# Altium PCB Analog_Daughter_6U_MAX11331.PcbDoc (part 5 of 6) (continued)
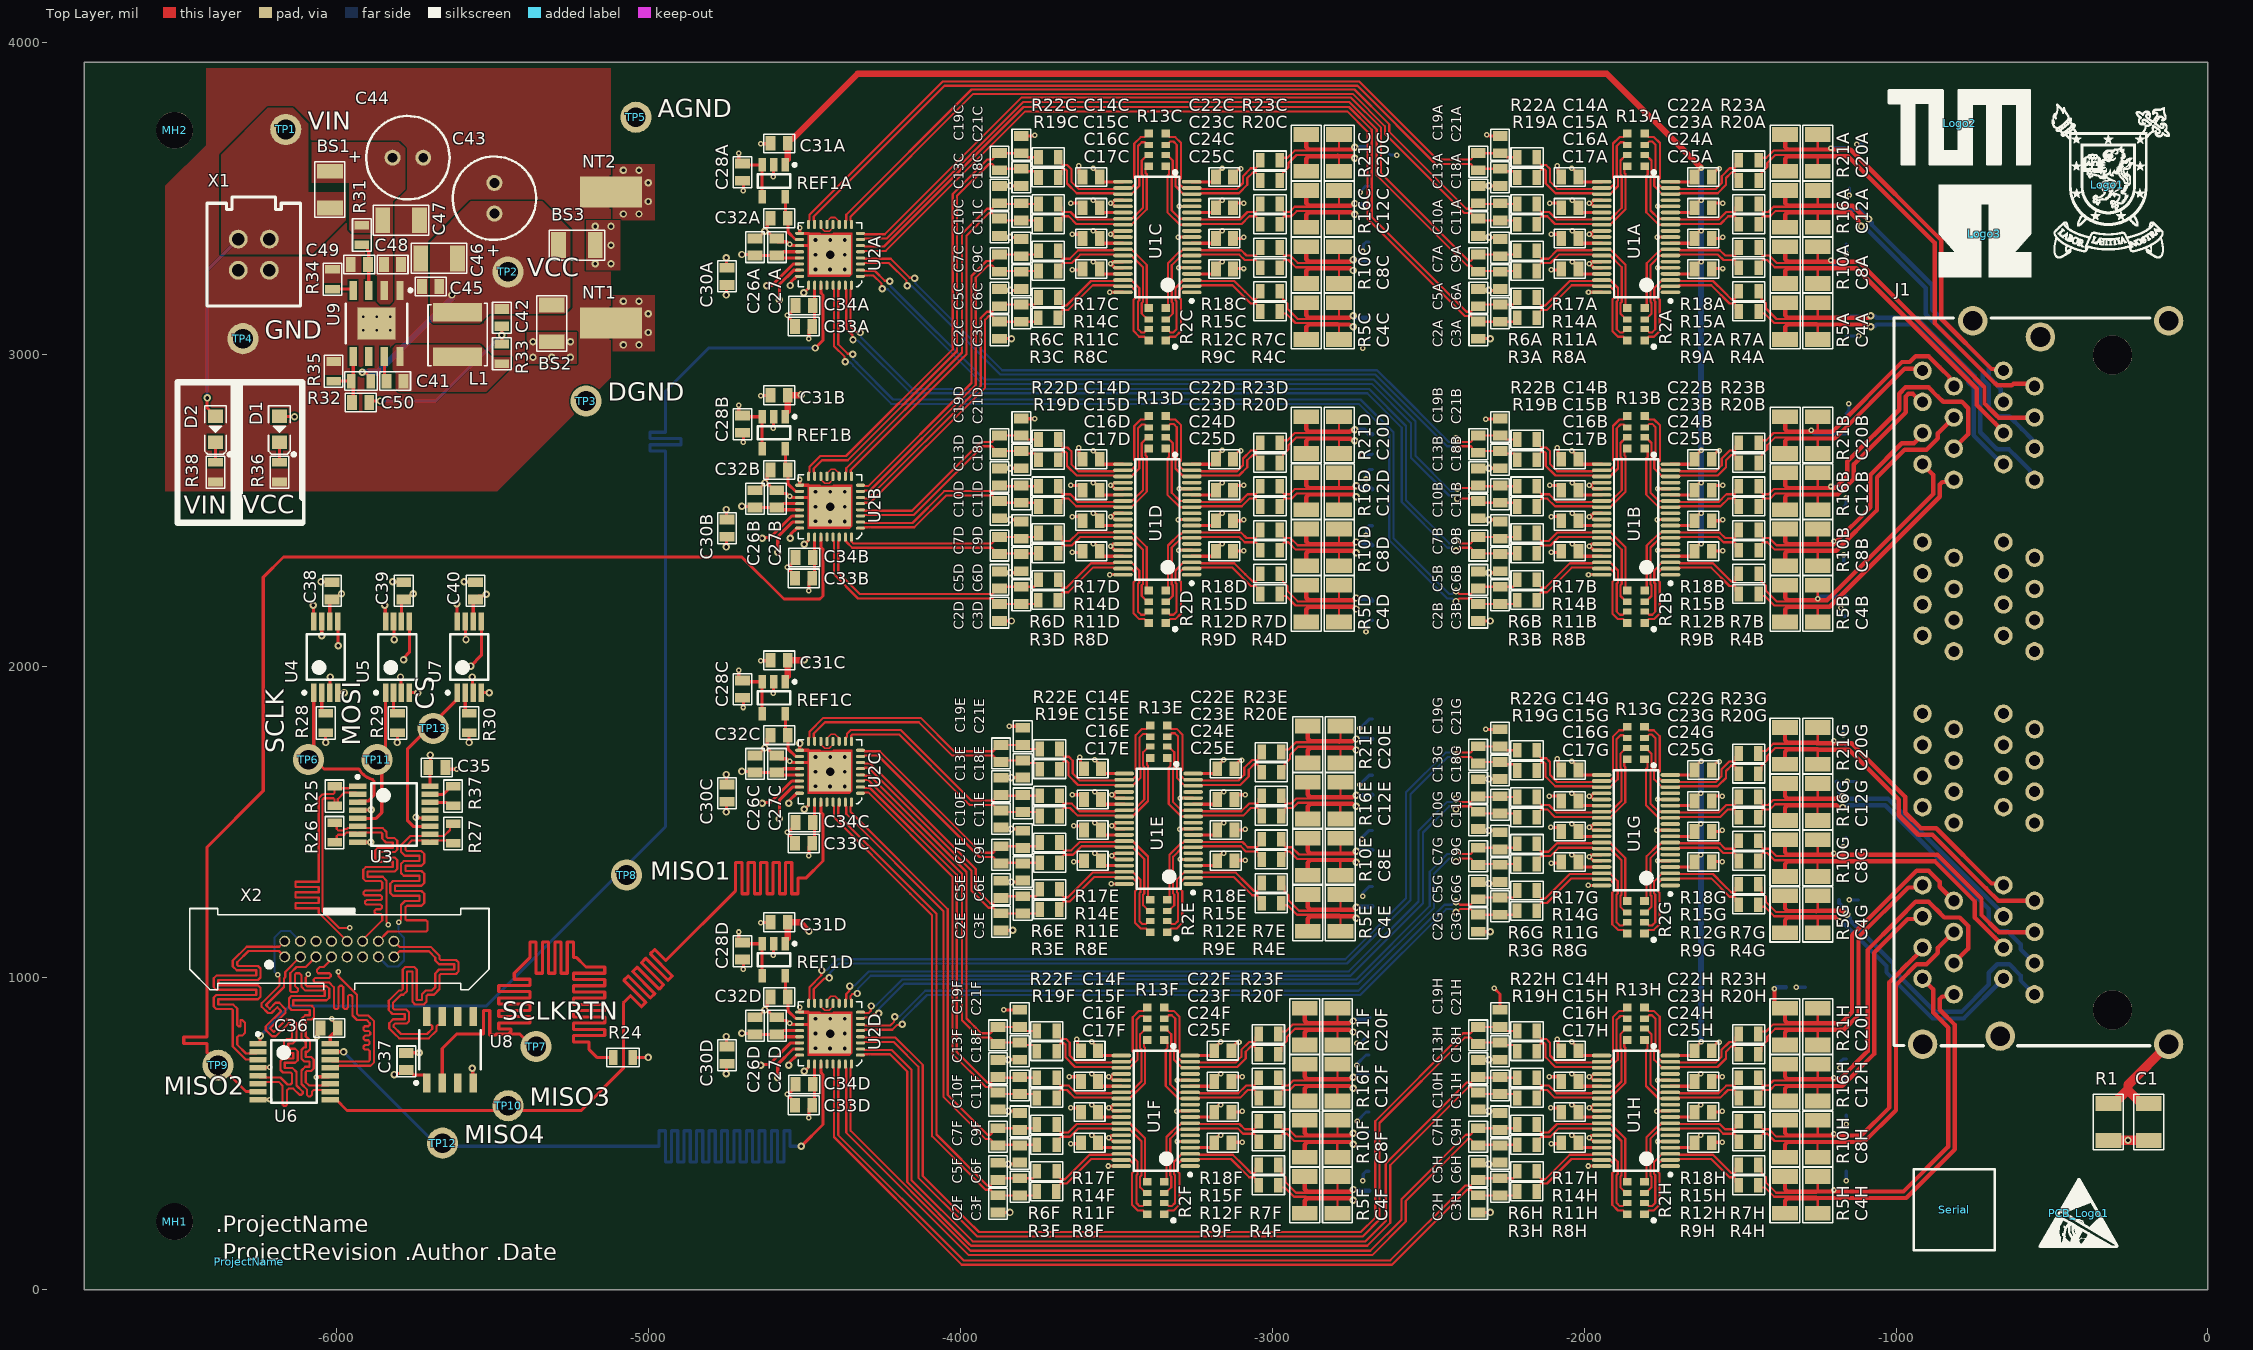
[diagram p0: Top Layer view]
## Nets (pads, with @x,y where several pads share a name; then routed paths per layer and width w, separated by ;. In a path a pad name is that pad's centre, name@x,y a point inside that pad or via, vN(x,y) a via of type N, cw(c..) or ccw(c..) an arc to the next point about the centre after c; other vN are vias at no path point) (continued)
  Signal 1 w7: v1(-6091.64,1011.87) -6091.87,1011.87 -6110,1030 -6180,1030 -6200,1050 -6200,1129.28 -6180.5,1148.78 -6098.78,1148.78 X2.6@-6067.57,1117.57
MISOADC3_P: U6.10 X2.5 | length 1069
  Top Layer w7: X2.5@-6067.57,1067.57 -6100.07,1035.07 -6129.93,1035.07 -6150,1015 -6150,959.1 -6145.9,955 -6129.1,955 -6125,959.1 -6125,965 -6135,975 -6135,1010.9 -6130.9,1015 -6120,1015 -6114,1009 -6114,985 -6114,971.6 -6101.7,959.3 -6039,959.3 -6039,942.3 -6145.8,942.3 -6154,934.1 -6154,905.5 -6145.8,897.3 -6087.24,897.3 -6087.24,880.3 -6101.7,880.3 -6114,868 -6114,830 -6114,820 -6114,806.6 -6101.7,794.3 -6100.42,794.3 -6100.42,777.3 -6105.8,777.3 -6114,769.1 -6114,740.5 -6105.8,732.3 -6088.26,732.3 -6088.26,715.3 -6101.7,715.3 -6114,703 -6114,685 -6114,659.59 -6095.8,641.39 -6095.8,624.1 -6091.7,620 -6085,620 -6080,625 -6080,635 -6074.05,640.95 -6026.78,640.95 U6.10@-6021.42,635.59
MISOADC4_N: U6.13 X2.8 | length 1002.5
  Top Layer w7: U6.13@-6021.42,712.36 -6016.06,717.72 -5993.7,717.72 -5993.26,718.16 -5892.04,718.16 -5881,729.2 -5881,765 -5881,855 -5881,860.8 -5899.2,879 -5930,879 -5936,885 -5936,945.68 -5995.21,1004.89 v1(-5995.21,1020)
  Signal 2 w7: X2.8@-6017.57,1117.57 -6045,1145 -6052.67,1145 ccw(c-6067.57,1117.57) -6082.46,1145 -6102.67,1145 ccw(c-6117.57,1117.57) -6132.46,1145 -6152.67,1145 ccw(c-6167.57,1117.57) -6182.46,1145 -6184.28,1145 -6195,1134.28 -6195,1132.46 ccw(c-6167.57,1117.57) -6195,1102.67 -6195,1082.46 ccw(c-6167.57,1067.57) -6195,1052.67 -6195,1045 -6186.03,1036.03 -6011.23,1036.03 v1(-5995.21,1020)
MISOADC4_P: U6.14 X2.7 | length 1038
  Top Layer w7: U6.14@-6021.42,737.95 -6016.06,732.59 -5993.7,732.59 -5993.26,732.16 -5899.1,732.16 -5895,736.26 -5895,765 -5900,770 -5910.9,770 -5915,774.1 -5915,780 -5910,785 -5900,785 -5895.4,789.6 -5895.4,795.4 -5900,800 -5910,800 -5914.6,804.6 -5914.6,810.4 -5910,815 -5898,815 -5893.4,819.6 -5893.4,825.4 -5898,830 -5910.9,830 -5915,834.1 -5915,840.9 -5910.9,845 -5900,845 -5895,850 -5895,855 -5905,865 -5935.8,865 -5950,879.2 -5950,940.12 -5954.98,945.1 -5960.9,945.1 -5965,941 -5965,905 -5969.6,900.4 -5975.4,900.4 -5980,905 -5980,970 -5984.54,974.54 -5984.54,974.66 -5990.34,974.66 -5995,970 -5995,904 -5999.1,899.9 -6004.9,899.9 -6010,905 -6010,970 -6025,985 -6027.93,985 -6028.23,985.3 -6070.3,985.3 -6074.6,989.6 -6074.6,995.4 -6070,1000 -6025,1000 -6020,1005 -6020,1010.9 -6024.1,1015 -6060,1015 -6064.6,1019.6 -6064.6,1025.4 -6055,1035 -6042.44,1035 -6017.57,1059.87 X2.7@-6017.57,1067.57
MISOB: TP9.1 U2B.27 U6.7 | length 4037.3
  Top Layer w10: U6.7@-6253.71,635.59 -6292.01,635.59 -6378.92,722.5 -6416.42,760 -6416.42,785 -6416.42,790 -6491.42,790 -6491.42,810 -6416.42,810 -6416.42,830 -6416.42,1420 -6236.42,1600 -6236.42,2285 -6171.42,2350 -4701.42,2350 -4566.42,2215 -4451.42,2215 -4441.42,2225 -4441.42,2375 -4448.39,2381.97 U2B.27@-4448.39,2413.66
MISOC: TP10.1 U2C.27 U6.9 | length 4063.9
  Top Layer w10: U6.9@-6021.42,610 -6002.72,610 -5967.72,575 -5216.42,575 -5081.42,710 -5081.42,920 -5076.42,925 -5058.75,942.68 -5023.39,907.32 -5009.25,921.46 -5079.96,992.18 -5065.82,1006.32 -4995.11,935.61 -4980.96,949.75 -5051.67,1020.46 -5037.53,1034.6 -4966.82,963.89 -4952.68,978.03 -5023.39,1048.74 -5009.25,1062.89 -4938.54,992.18 -4924.39,1006.32 -4995.11,1077.03 -4980.96,1091.17 -4945.61,1055.82 -4934.48,1066.95 -4726.42,1275 -4721.42,1280 -4721.42,1370 -4701.42,1370 -4701.42,1270 -4681.42,1270 -4681.42,1370 -4661.42,1370 -4661.42,1270 -4641.42,1270 -4641.42,1370 -4621.42,1370 -4621.42,1270 -4601.42,1270 -4601.42,1370 -4581.42,1370 -4581.42,1270 -4561.42,1270 -4561.42,1370 -4541.42,1370 -4541.42,1270 -4521.42,1270 -4521.42,1320 -4506.42,1320 -4496.42,1320 -4441.42,1375 -4441.42,1525 -4448.39,1531.97 U2C.27@-4448.39,1563.66
MISOD: TP12.1 U2D.27 U6.15 | length 4031.3
  Top Layer w10: U6.15@-6021.42,763.54 -6020.99,763.11 -5979.33,763.11 v2(-5978.9,762.68) ; v2(-4511.42,460) -4441.42,530 -4441.42,690 -4448.39,696.97 U2D.27@-4448.39,723.66
  Bottom Layer w10: v2(-5978.9,762.68) -5676.22,460 -4972.03,460 -4967.03,460 -4967.03,510 -4947.03,510 -4947.03,410 -4927.03,410 -4927.03,510 -4907.03,510 -4907.03,410 -4887.03,410 -4887.03,510 -4867.03,510 -4867.03,410 -4847.03,410 -4847.03,510 -4827.03,510 -4827.03,410 -4807.03,410 -4807.03,510 -4787.03,510 -4787.03,410 -4767.03,410 -4767.03,510 -4747.03,510 -4747.03,410 -4727.03,410 -4727.03,510 -4707.03,510 -4707.03,410 -4687.03,410 -4687.03,510 -4667.03,510 -4667.03,410 -4647.03,410 -4647.03,510 -4627.03,510 -4627.03,410 -4607.03,410 -4607.03,510 -4587.03,510 -4587.03,410 -4567.03,410 -4567.03,510 -4547.03,510 -4547.03,460 -4541.42,460 v2(-4511.42,460)
MOSI: TP11.1 U3.5 U5.1 | length 474.5
  Top Layer w10: U3.5@-5933.71,1511.77 -5874.65,1511.77 -5856.42,1530 -5856.42,1705.98 -5844.38,1718.03 U5.1@-5844.38,1914.68
MOSI_N: R26.1 U3.7 X2.12 | length 1068.2
  Top Layer w7: R26.1@-6007.57,1434.57 -6000.49,1441.64 -6000.49,1454.96 -5996.39,1459.06 -5976.88,1459.06 -5969.99,1465.95 -5939.07,1465.95 U3.7@-5933.71,1460.59 -5928.35,1465.95 -5905.98,1465.95 -5905.55,1466.39 -5859.1,1466.39 -5855,1462.29 -5855,1460 -5855,1446.6 -5842.7,1434.3 -5821,1434.3 -5821,1417.3 -5869.23,1417.3 -5877.43,1409.1 -5877.43,1380.5 -5869.23,1372.3 -5821,1372.3 -5821,1355.3 -5907.8,1355.3 -5916,1347.1 -5916,1318.5 -5907.8,1310.3 -5859.1,1310.3 -5855,1306.2 -5855,1287.08 -5862.08,1280 -5910,1280 -5915,1275 -5915,1269.1 -5910.9,1265 -5860,1265 -5855.4,1260.4 -5855.4,1254.6 -5860,1250 -5905,1250 -5910.1,1244.9 -5910.1,1239.1 -5906,1235 -5860,1235 -5855.4,1230.4 -5855.4,1224.6 -5860,1220 -5875,1220 -5879.6,1215.4 -5879.6,1209.6 -5875,1205 -5860,1205 -5855,1200 -5855,1185 -5917.57,1122.43 X2.12@-5917.57,1117.57
MOSI_P: R26.2 U3.6 X2.11 | length 1065.1
  Top Layer w7: R26.2@-6007.57,1497.56 -6000.49,1490.49 -6000.49,1477.16 -5996.39,1473.06 -5979.85,1473.06 -5974.96,1477.95 -5967.61,1477.95 -5964.74,1480.82 -5939.07,1480.82 U3.6@-5933.71,1486.18 -5928.35,1480.82 -5905.98,1480.82 -5905.55,1480.39 -5853.3,1480.39 -5841,1468.08 -5841,1460 -5841,1452.4 -5836.9,1448.3 -5815.2,1448.3 -5807,1440.1 -5807,1411.5 -5815.2,1403.3 -5863.43,1403.3 -5863.43,1386.3 -5815.2,1386.3 -5807,1378.1 -5807,1349.5 -5815.2,1341.3 -5902,1341.3 -5902,1324.3 -5853.3,1324.3 -5841,1312 -5841,1287.08 -5841,1180.04 -5835,1174.04 v1(-5835,1171.14)
  Signal 2 w7: X2.11@-5917.57,1067.57 -5885,1035 -5805.99,1035 -5786.35,1054.64 -5786.35,1130.5 -5804.63,1148.78 -5824.94,1169.09 -5832.95,1169.09 v1(-5835,1171.14)
MOSIA: U2A.24 U5.3 | length 4008.5
  Top Layer w10: v2(-5796.42,1965) -5794.81,1963.39 -5794.81,1916.3 U5.3@-5793.19,1914.68 ; v2(-4546.86,3220.44) -4544.25,3223.04 -4544.25,3231.74 -4525.99,3250 U2A.24@-4516.31,3250
  Signal 1 w10: v2(-5796.42,1965) -5701.42,2060 -5701.42,2365 -5697.89,2368.54 -5729.43,2400.07 -5715.28,2414.22 -5648.39,2347.32 -5634.25,2361.46 -5701.14,2428.36 -5687,2442.5 -5620.11,2375.61 -5605.96,2389.75 -5672.91,2456.7 -5658.77,2470.84 -5591.82,2403.89 -5577.68,2418.03 -5645.91,2486.26 -5631.77,2500.41 -5563.54,2432.18 -5549.39,2446.32 -5620.11,2517.03 -5605.96,2531.17 -5535.25,2460.46 -5521.11,2474.6 -5591.82,2545.31 -5577.68,2559.45 -5506.97,2488.74 -5492.83,2502.89 -5563.54,2573.6 -5549.39,2587.74 -5478.68,2517.03 -5464.54,2531.17 -5535.25,2601.88 -5521.11,2616.02 -5450.4,2545.31 -5436.26,2559.45 -5506.97,2630.17 -5492.83,2644.31 -5422.12,2573.6 -5407.97,2587.74 -5478.68,2658.45 -5464.54,2672.59 -5393.83,2601.88 -5379.69,2616.02 -5415.04,2651.38 -5406.42,2660 -5391.64,2660 -5141.42,2660 -4580.99,3220.44 v2(-4546.86,3220.44)
MOSIB: U2B.24 U5.8 | length 4025.3
  Top Layer w10: v2(-5846.42,2195) -5845.4,2193.98 -5845.4,2144.06 U5.8@-5844.38,2143.03 ; v2(-4546.42,2410) -4543.82,2412.61 -4543.82,2424.38 -4525.99,2442.2 U2B.24@-4516.31,2442.2
  Signal 2 w10: v2(-5846.42,2195) -5731.42,2195 -5576.42,2350 -5526.42,2350 -5521.42,2350 -5521.42,2395 -5501.42,2395 -5501.42,2300 -5481.42,2300 -5481.42,2395 -5461.42,2395 -5461.42,2300 -5441.42,2300 -5441.42,2395 -5421.42,2395 -5421.42,2300 -5401.42,2300 -5401.42,2395 -5381.42,2395 -5381.42,2300 -5361.42,2300 -5361.42,2395 -5341.42,2395 -5341.42,2300 -5321.42,2300 -5321.42,2395 -5301.42,2395 -5301.42,2300 -5281.42,2300 -5281.42,2395 -5261.42,2395 -5261.42,2300 -5241.42,2300 -5241.42,2395 -5221.42,2395 -5221.42,2300 -5201.42,2300 -5201.42,2395 -5181.42,2395 -5181.42,2300 -5161.42,2300 -5161.42,2395 -5141.42,2395 -5141.42,2300 -5121.42,2300 -5121.42,2395 -5101.42,2395 -5101.42,2300 -5081.42,2300 -5081.42,2395 -5061.42,2395 -5061.42,2300 -5041.42,2300 -5041.42,2386.36 -5021.42,2386.36 -5021.42,2300 -5001.42,2300 -5001.42,2390.18 -4981.42,2390.18 -4981.42,2350 -4976.42,2350 -4973.58,2350 -4651.42,2350 -4591.42,2410 v2(-4546.42,2410)
MOSIC: U2C.24 U5.7 | length 4022.8
  Top Layer w10: U5.7@-5818.79,2143.03 -5817.6,2141.85 -5817.6,2086.18 v2(-5816.42,2085) ; v2(-4551.42,1560) -4548.82,1562.61 -4548.82,1569.38 -4525.99,1592.2 U2C.24@-4516.31,1592.2
  Signal 2 w10: v2(-5816.42,2085) -5776.42,2125 -5771.42,2125 -5746.42,2125 -5746.42,2075 -5726.42,2075 -5726.42,2125 -5706.42,2125 -5706.42,2075 -5686.42,2075 -5686.42,2125 -5666.42,2125 -5666.42,2075 -5646.42,2075 -5646.42,2125 -5626.42,2125 -5626.42,2102.92 -5606.42,2102.92 -5606.42,2125 -5586.42,2125 -5586.42,2111.81 -5566.42,2111.81 -5566.42,2125 -5546.42,2125 -5546.42,2100 -5526.42,2100 -5526.42,2125 -5506.42,2125 -5506.42,2100 -5486.42,2100 -5486.42,2125 -5466.42,2125 -5466.42,2100 -5446.42,2100 -5446.42,2125 -5426.42,2125 -5426.42,2100 -5406.42,2100 -5406.42,2125 -5386.42,2125 -5386.42,2100 -5366.42,2100 -5366.42,2125 -5346.42,2125 -5346.42,2100 -5326.42,2100 -5326.42,2125 -5306.42,2125 -5306.42,2100 -5286.42,2100 -5286.42,2125 -5266.42,2125 -5266.42,2100 -5246.42,2100 -5246.42,2125 -5226.42,2125 -5226.42,2100 -5206.42,2100 -5206.42,2125 -5186.42,2125 -5186.42,2100 -5166.42,2100 -5166.42,2128.58 -5146.42,2128.58 -5146.42,2100 -5126.42,2100 -5126.42,2149.98 -5106.42,2149.98 -5106.42,2081.21 -5086.42,2081.21 -5086.42,2138.79 -5066.42,2138.79 -5066.42,2090 -5046.42,2070 -5033.92,2057.5 -5030.39,2053.96 -5005.99,2078.36 -4991.85,2064.22 -5040.64,2015.43 -5026.5,2001.29 -4977.71,2050.07 -4963.57,2035.93 -5012.35,1987.14 -4998.21,1973 -4949.43,2021.79 -4935.28,2007.65 -4984.07,1958.86 -4969.93,1944.72 -4921.14,1993.5 -4907,1979.36 -4955.79,1930.58 -4941.64,1916.43 -4905.57,1952.51 -4891.42,1938.37 -4911.42,1918.37 -4911.42,1875 -4911.42,1870.49 -4911.42,1839.34 -4936.42,1839.34 -4936.42,1819.34 -4891.42,1819.34 -4891.42,1799.34 -4936.42,1799.34 -4936.42,1779.34 -4891.42,1779.34 -4891.42,1759.34 -4936.42,1759.34 -4936.42,1739.34 -4891.42,1739.34 -4891.42,1719.34 -4922.01,1719.34 -4922.01,1699.34 -4891.42,1699.34 -4891.42,1679.34 -4911.42,1679.34 -4911.42,1659.34 -4891.42,1659.34 -4891.42,1639.34 -4911.42,1639.34 -4911.42,1615 -4910.76,1614.34 -4895.71,1599.29 -4892.18,1595.75 -4877.78,1610.15 -4863.64,1596 -4879.9,1579.75 -4865.75,1565.61 -4849.5,1581.86 -4835.36,1567.72 -4849.75,1553.33 -4835.71,1539.29 -4801.82,1505.39 -4646.03,1505.39 -4591.42,1560 v2(-4551.42,1560)
MOSID: U2D.24 U5.5 | length 4048.9
  Top Layer w10: v2(-5786.42,2020) -5786.42,2026.18 -5767.01,2045.59 -5767.01,2142.44 U5.5@-5767.6,2143.03 ; v2(-4551.42,720) -4548.82,722.61 -4548.82,729.38 -4525.99,752.2 U2D.24@-4516.31,752.2
  Signal 2 w10: v2(-5786.42,2020) -5783.75,2020 -5773.75,2030 -5426.42,2030 -5196.07,1799.64 -5196.07,1765 -5196.07,1760 -5175.71,1760 -5175.71,1740 -5216.42,1740 -5216.42,1720 -5175.71,1720 -5175.71,1700 -5216.42,1700 -5216.42,1680 -5175.71,1680 -5175.71,1660 -5216.42,1660 -5216.42,1640 -5175.71,1640 -5175.71,1620 -5216.42,1620 -5216.42,1600 -5175.71,1600 -5175.71,1580 -5216.42,1580 -5216.42,1560 -5175.71,1560 -5175.71,1540 -5216.42,1540 -5216.42,1520 -5175.71,1520 -5175.71,1500 -5216.42,1500 -5216.42,1480 -5175.71,1480 -5175.71,1460 -5216.42,1460 -5216.42,1440 -5175.71,1440 -5175.71,1420 -5216.42,1420 -5216.42,1400 -5175.71,1400 -5175.71,1380 -5216.42,1380 -5216.42,1360 -5175.71,1360 -5175.71,1340 -5216.42,1340 -5216.42,1320 -5175.71,1320 -5175.71,1300 -5216.42,1300 -5216.42,1280 -5175.71,1280 -5175.71,1260 -5216.42,1260 -5216.42,1240 -5175.71,1240 -5175.71,1220 -5216.42,1220 -5216.42,1200 -5175.71,1200 -5175.71,1180 -5216.42,1180 -5216.42,1160 -5175.71,1160 -5175.71,1140 -5215.66,1140 -5215.66,1120 -5175.71,1120 -5175.71,1100 -5196.07,1100 -5196.07,1080 -5175.71,1080 -5175.71,1060 -5196.07,1060 -5196.07,1040 -5175.71,1040 -5175.71,1020 -5196.07,1020 -5196.07,1000 -5175.71,1000 -5175.71,980 -5196.07,980 -5196.07,960 -5175.71,960 -5175.71,940 -5196.07,940 -5196.07,932.32 -5196.07,889.64 -4971.42,665 -4658.51,665 -4603.51,720 v2(-4551.42,720)
NetC32A_1: C32A.1 REF1A.5 U2A.18 | length 163.7
  Top Layer w10: REF1A.5@-4561.94,3505.16 -4561.94,3444.06 C32A.1@-4554.22,3436.34 -4554.22,3392.8 -4529.61,3368.19 -4516.38,3368.19 U2A.18@-4516.31,3368.11
NetC32B_1: C32B.1 REF1B.5 U2B.18 | length 163.7
  Top Layer w10: REF1B.5@-4561.94,2697.36 -4561.94,2636.26 C32B.1@-4554.22,2628.54 -4554.22,2585 -4529.61,2560.39 -4516.38,2560.39 U2B.18@-4516.31,2560.31
NetC32C_1: C32C.1 REF1C.5 U2C.18 | length 163.7
  Top Layer w10: REF1C.5@-4561.94,1847.36 -4561.94,1786.26 C32C.1@-4554.22,1778.54 -4554.22,1735 -4529.61,1710.39 -4516.38,1710.39 U2C.18@-4516.31,1710.31
NetC32D_1: C32D.1 REF1D.5 U2D.18 | length 163.7
  Top Layer w10: REF1D.5@-4561.94,1007.36 -4561.94,946.26 C32D.1@-4554.22,938.54 -4554.22,895 -4529.61,870.39 -4516.38,870.39 U2D.18@-4516.31,870.31
NetC41_2: C41.2 U9.7 | length 81.4
  Top Layer w10: U9.7@-5848,2992.6 -5848,2920.35 C41.2@-5841.5,2913.86
NetC42_2: C42.2 C50.1 R33.1 | length 571.7
  Top Layer w10: C50.1@-5896.42,2845 -5891.42,2850 v2(-5861.42,2850) ; R33.1@-5471.42,3032.99 v2(-5471.42,3061.5) C42.2@-5471.42,3090
  Bottom Layer w10: v2(-5861.42,2850) -5682.92,2850 v2(-5471.42,3061.5)
NetD1_2: D1.2 R36.1 | length 65
  Top Layer w10: R36.1@-6184.65,2653.39 D1.2@-6184.65,2718.35
NetD2_2: D2.2 R38.1 | length 65
  Top Layer w10: R38.1@-6389.69,2653.39 D2.2@-6389.69,2718.35
NetR24_2: R24.2 TP7.1 U8.2 | length 4118.6
  Top Layer w10: U8.2@-5662.57,663.27 -5662.57,773.86 -5616.42,820 -5535,820 -5530,820 -5530,895 -5510,895 -5510,816.73 -5490,816.73 -5490,820 -5451.42,820 ; TP7.1@-5361.42,780 -5373.35,780 -5413.35,820 -5446.42,820 -5451.42,820 ; R24.2@-5114.41,745 -5166.42,745 -5191.42,770 -5191.42,795 -5241.42,795 -5241.42,815 -5141.42,815 -5141.42,835 -5241.42,835 -5241.42,855 -5141.42,855 -5141.42,875 -5241.42,875 -5241.42,895 -5141.42,895 -5141.42,915 -5241.42,915 -5241.42,935 -5141.42,935 -5141.42,955 -5241.42,955 -5241.42,975 -5141.42,975 -5141.42,995 -5241.42,995 -5241.42,1015 -5141.42,1015 -5141.42,1035 -5201.42,1035 -5206.42,1040 -5231.42,1065 -5241.42,1065 -5241.42,1115 -5261.42,1115 -5261.42,1015 -5281.42,1015 -5281.42,1115 -5301.42,1115 -5301.42,1015 -5321.42,1015 -5321.42,1115 -5341.42,1115 -5341.42,1015 -5361.42,1015 -5361.42,1115 -5381.42,1115 -5381.42,1065 -5386.42,1060 -5431.42,1015 -5431.42,1005 -5431.42,995.86 -5381.42,995.86 -5381.42,975.86 -5481.42,975.86 -5481.42,955.86 -5381.42,955.86 -5381.42,935.86 -5481.42,935.86 -5481.42,915.86 -5381.42,915.86 -5381.42,895.86 -5481.42,895.86 -5481.42,875.86 -5381.42,875.86 -5381.42,855.86 -5481.42,855.86 -5481.42,835.86 -5441.42,835.86 -5441.42,830 -5446.42,825 -5451.42,820
NetR28_1: R28.1 U4.2 | length 73.5
  Top Layer w10: U4.2@-6048.79,1914.68 -6048.79,1857.64 -6040.01,1848.86 R28.1@-6035.99,1848.86
NetR29_1: R29.1 U5.2 | length 73.5
  Top Layer w10: U5.2@-5818.79,1914.68 -5818.79,1857.64 -5810.01,1848.86 R29.1@-5805.99,1848.86
NetR30_1: R30.1 U7.2 | length 73.5
  Top Layer w10: U7.2@-5588.79,1914.68 -5588.79,1857.64 -5580.01,1848.86 R30.1@-5575.99,1848.86
NetR34_2: R34.2 U9.4 | length 68.4
  Top Layer w10: R34.2@-6014.73,3209.13 -5951.94,3209.13 U9.4@-5948,3205.2
NetR37_1: R37.1 U3.15 | length 87.3
  Top Layer w10: U3.15@-5701.42,1588.54 -5658.86,1588.54 -5646.19,1601.22 -5646.19,1605.79 -5637.41,1614.57 R37.1@-5627.57,1614.57
NetR37_2: R37.2 U3.14 | length 78.6
  Top Layer w10: U3.14@-5701.42,1562.95 -5648.79,1562.95 -5637.41,1551.58 R37.2@-5627.57,1551.58
NetU2A_11: U2A.11 U2A.13 | length 69.3
  Top Layer w5: U2A.13@-4428.71,3416.34 -4428.71,3426.18 -4416.29,3438.6 -4401.76,3438.6 -4389.34,3426.18 U2A.11@-4389.34,3416.34
NetU2A_12: U2A.12 U2A.14 | length 69.3
  Top Layer w5: U2A.14@-4448.39,3416.34 -4448.39,3406.5 -4435.97,3394.07 -4421.44,3394.07 -4409.02,3406.5 U2A.12@-4409.02,3416.34
NetU2B_11: U2B.11 U2B.13 | length 69.3
  Top Layer w5: U2B.13@-4428.71,2608.54 -4428.71,2618.39 -4416.29,2630.81 -4401.76,2630.81 -4389.34,2618.39 U2B.11@-4389.34,2608.54
NetU2B_12: U2B.12 U2B.14 | length 69.3
  Top Layer w5: U2B.14@-4448.39,2608.54 -4448.39,2598.7 -4435.97,2586.28 -4421.44,2586.28 -4409.02,2598.7 U2B.12@-4409.02,2608.54
NetU2C_11: U2C.11 U2C.13 | length 69.3
  Top Layer w5: U2C.13@-4428.71,1758.54 -4428.71,1768.39 -4416.29,1780.81 -4401.76,1780.81 -4389.34,1768.39 U2C.11@-4389.34,1758.54
NetU2C_12: U2C.12 U2C.14 | length 69.3
  Top Layer w5: U2C.14@-4448.39,1758.54 -4448.39,1748.7 -4435.97,1736.28 -4421.44,1736.28 -4409.02,1748.7 U2C.12@-4409.02,1758.54
NetU2D_11: U2D.11 U2D.13 | length 69.3
  Top Layer w5: U2D.13@-4428.71,918.54 -4428.71,928.39 -4416.29,940.81 -4401.76,940.81 -4389.34,928.39 U2D.11@-4389.34,918.54
NetU2D_12: U2D.12 U2D.14 | length 69.3
  Top Layer w5: U2D.14@-4448.39,918.54 -4448.39,908.7 -4435.97,896.28 -4421.44,896.28 -4409.02,908.7 U2D.12@-4409.02,918.54
PGND: C43.1 C44.1 C45.2 C46.2 C47.2 C48.2 C49.2 NT1.2 NT2.1 R34.1 R35.1 R36.2 R38.2 TP4.1 U9.1 U9.9 X1.1 X1.2
  other v4: -5916.31,3077.24 -5873,3077.24 -5829.69,3077.24 -5916.31,3120.55 -5873,3120.55 -5829.69,3120.55
SCLK: TP6.1 U3.3 U4.1 | length 541.5
  Top Layer w10: U4.1@-6074.38,1914.68 -6074.38,1702.95 -6041.42,1670 -5934.87,1670 -5929.09,1670 ccw(c-5871.42,1700) -5886.86,1636.86 -5881.42,1631.42 -5881.42,1585 -5899.61,1566.81 -5929.85,1566.81 U3.3@-5933.71,1562.95
SCLK_N: R25.1 U3.1 X2.10 | length 1104.3
  Top Layer w7: X2.10@-5967.57,1117.57 -6058.5,1208.5 -6058.5,1220 -6058.5,1223.5 -6133.5,1223.5 -6133.5,1240.5 -6058.5,1240.5 -6058.5,1257.5 -6133.5,1257.5 -6133.5,1274.5 -6058.5,1274.5 -6058.5,1291.5 -6133.5,1291.5 -6133.5,1308.5 -6058.5,1308.5 -6058.5,1315 -6058.5,1576.94 -6047.37,1588.07 -6042.9,1588.07 -6040.9,1590.07 -6011.67,1590.07 -6007.57,1594.17 R25.1@-6007.57,1614.57 -6001.34,1608.34 -5961.87,1608.34 -5961.43,1608.78 -5939.07,1608.78 U3.1@-5933.71,1614.13
SCLK_P: R25.2 U3.2 X2.9 | length 1097.1
  Top Layer w7: v1(-5959.09,1160.91) -5960,1160 -5993.03,1160 -6046.5,1213.47 -6046.5,1571.97 -6042.4,1576.07 -6011.67,1576.07 -6007.57,1571.97 R25.2@-6007.57,1551.58 -5997.29,1561.85 -5997.29,1573.4 -5976.35,1594.34 -5961.87,1594.34 -5961.43,1593.9 -5939.07,1593.9 U3.2@-5933.71,1588.54
  Signal 1 w7: X2.9@-5967.57,1067.57 -5935,1035 -5805.99,1035 -5785,1055.99 -5785,1129.15 -5804.63,1148.78 -5944.06,1148.78 -5956.19,1160.91 v1(-5959.09,1160.91)
SCLK_RTN_N: U8.8 X2.16 | length 1094.3
  Top Layer w7: X2.16@-5817.57,1117.57 -5799.57,1099.57 -5699.77,1099.57 -5685.38,1085.18 -5671,1070.8 -5671,1061.8 -5666.9,1057.7 -5618.2,1057.7 -5610,1049.5 -5610,1020.9 -5618.2,1012.7 -5666.9,1012.7 -5671,1008.6 -5671,970 -5671,964.2 -5687.5,947.7 -5689.2,946 -5709,946 -5713.1,941.9 -5713.1,923.08 -5721.3,914.88 -5749.9,914.88 -5758.1,923.08 -5758.1,1021 -5775.1,1021 -5775.1,958.3 -5787.4,946 -5795,946 -5800.8,940.2 -5820,921 -5820,910 -5820,902.4 -5815.9,898.3 -5777.02,898.3 -5768.81,890.1 -5768.81,861.5 -5777.02,853.3 -5814.3,853.3 -5818.4,849.2 -5818.4,843.4 -5796.56,821.56 -5795,820 -5711.26,820 -5694.57,836.69 -5694.57,844.75 -5698.67,848.85 -5704.25,848.85 -5712.57,857.17 U8.8@-5712.57,875.87
SCLK_RTN_P: U8.7 X2.15 | length 1117.5
  Top Layer w7: X2.15@-5817.57,1067.57 -5799.57,1085.57 -5705.57,1085.57 -5705.18,1085.18 -5685,1065 -5685,1056 -5672.7,1043.7 -5624,1043.7 -5624,1026.7 -5672.7,1026.7 -5685,1014.4 -5685,970 -5687.5,967.5 -5695,960 -5714.8,960 -5727.1,947.7 -5727.1,928.88 -5744.1,928.88 -5744.1,1026.8 -5752.3,1035 -5780.9,1035 -5789.1,1026.8 -5789.1,964.1 -5793.2,960 -5800.8,960 -5834,926.8 -5834,910 -5834,896.6 -5821.7,884.3 -5782.81,884.3 -5782.81,867.3 -5820.1,867.3 -5832.4,855 -5832.4,837.6 -5816.36,821.56 -5800.8,806 -5705.46,806 -5680.57,830.9 -5680.57,844.75 -5676.46,848.85 -5670.88,848.85 -5662.57,857.17 U8.7@-5662.57,875.87
SCLKA: U2A.22 U4.3 | length 4060.4
  Top Layer w10: U4.3@-6023.19,1914.68 -6022.31,1915.57 -6022.31,1964.11 v2(-6021.42,1965) ; v2(-4621.42,3220) -4606.42,3220 -4537.13,3289.29 -4516.38,3289.29 U2A.22@-4516.31,3289.37
  Signal 1 w10: v2(-6021.42,1965) -5966.42,1965 -5921.42,2010 -5921.42,2300 -5917.89,2303.54 -5953.24,2338.89 -5939.1,2353.03 -5868.39,2282.32 -5854.25,2296.46 -5924.96,2367.18 -5910.82,2381.32 -5840.11,2310.61 -5825.96,2324.75 -5896.67,2395.46 -5882.53,2409.6 -5811.82,2338.89 -5797.68,2353.03 -5868.39,2423.74 -5854.25,2437.89 -5783.54,2367.18 -5769.39,2381.32 -5840.11,2452.03 -5825.96,2466.17 -5755.25,2395.46 -5741.11,2409.6 -5811.82,2480.31 -5797.68,2494.45 -5726.97,2423.74 -5712.83,2437.89 -5783.54,2508.6 -5769.4,2522.74 -5698.68,2452.03 -5684.54,2466.17 -5755.25,2536.88 -5741.11,2551.02 -5671.68,2481.59 -5657.54,2495.74 -5726.97,2565.17 -5712.83,2579.31 -5645.88,2512.36 -5631.74,2526.5 -5663.33,2558.09 -5654.12,2567.3 -5506.42,2715 -5126.42,2715 v2(-4621.42,3220)
SCLKB: U2B.22 U4.8 | length 4046.6
  Top Layer w10: v2(-6076.42,2195) -6075.4,2193.98 -6075.4,2144.06 U4.8@-6074.38,2143.03 ; v2(-4636.42,2410) -4633.82,2412.61 -4610.03,2412.61 -4541.14,2481.5 -4516.38,2481.5 U2B.22@-4516.31,2481.57
  Signal 2 w10: v2(-6076.42,2195) -5976.42,2195 -5761.42,2410 -5736.42,2410 -5731.42,2410 -5731.42,2460 -5711.42,2460 -5711.42,2360 -5691.42,2360 -5691.42,2460 -5671.42,2460 -5671.42,2360 -5651.42,2360 -5651.42,2460 -5631.42,2460 -5631.42,2360 -5611.42,2360 -5611.42,2460 -5591.42,2460 -5591.42,2365 -5571.42,2365 -5571.42,2460 -5551.42,2460 -5551.42,2406.18 -5531.42,2406.18 -5531.42,2460 -5511.42,2460 -5511.42,2410 -5491.42,2410 -5491.42,2460 -5471.42,2460 -5471.42,2410 -5451.42,2410 -5451.42,2460 -5431.42,2460 -5431.42,2410 -5411.42,2410 -5411.42,2460 -5391.42,2460 -5391.42,2410 -5371.42,2410 -5371.42,2460 -5351.42,2460 -5351.42,2410 -5331.42,2410 -5331.42,2460 -5311.42,2460 -5311.42,2410 -5291.42,2410 -5291.42,2460 -5271.42,2460 -5271.42,2410 -5251.42,2410 -5251.42,2460 -5231.42,2460 -5231.42,2410 -5211.42,2410 -5211.42,2460 -5191.42,2460 -5191.42,2410 -5171.42,2410 -5171.42,2460 -5151.42,2460 -5151.42,2410 -5131.42,2410 -5131.42,2460 -5111.42,2460 -5111.42,2410 -5091.42,2410 -5091.42,2460 -5071.42,2460 -5071.42,2410 -5051.42,2410 -5051.42,2460 -5031.42,2460 -5031.42,2401.36 -5011.42,2401.36 -5011.42,2460 -4991.42,2460 -4991.42,2410 -4986.11,2410 v2(-4636.42,2410)
SCLKC: U2C.22 U4.7 | length 4041
  Top Layer w10: v2(-6048.79,2097.36) U4.7@-6048.79,2143.03 ; v2(-4636.42,1560) -4633.82,1562.61 -4609.67,1562.61 -4606.42,1565.86 -4606.42,1566.21 -4541.14,1631.5 -4516.38,1631.5 U2C.22@-4516.31,1631.57
  Signal 2 w10: v2(-6048.79,2097.36) -5981.15,2165 -5976.15,2165 -5976.15,2180 -5956.15,2180 -5956.15,2115 -5936.15,2115 -5936.15,2214.06 -5916.15,2214.06 -5916.15,2115 -5896.15,2115 -5896.15,2215 -5876.15,2215 -5876.15,2115 -5856.15,2115 -5856.15,2168.19 -5836.15,2168.19 -5836.15,2115 -5816.15,2115 -5816.15,2180 -5796.15,2180 -5796.15,2140 -5776.15,2140 -5776.15,2180 -5756.15,2180 -5756.15,2140 -5736.15,2140 -5736.15,2180 -5716.15,2180 -5716.15,2140 -5696.15,2140 -5696.15,2209.06 -5676.15,2209.06 -5676.15,2140 -5656.15,2140 -5656.15,2181.81 -5636.15,2181.81 -5636.15,2140 -5616.15,2140 -5616.15,2173.19 -5596.15,2173.19 -5596.15,2140 -5576.15,2140 -5576.15,2185 -5556.15,2185 -5556.15,2140 -5536.15,2140 -5536.15,2185 -5516.15,2185 -5516.15,2140 -5496.15,2140 -5496.15,2168.58 -5476.15,2168.58 -5476.15,2140 -5456.15,2140 -5456.15,2165 -5436.15,2165 -5436.15,2140 -5416.15,2140 -5416.15,2165 -5396.15,2165 -5396.15,2140 -5376.15,2140 -5376.15,2165 -5356.15,2165 -5356.15,2140 -5336.15,2140 -5336.15,2165 -5316.15,2165 -5316.15,2140 -5296.15,2140 -5296.15,2165 -5276.15,2165 -5276.15,2140 -5256.15,2140 -5256.15,2165 -5236.15,2165 -5236.15,2140 -5216.15,2140 -5216.15,2165 -5196.15,2165 -5196.15,2140 -5176.15,2140 -5176.15,2165 -5156.15,2165 -5156.15,2161.4 -5136.15,2161.4 -5136.15,2165 -5096.42,2165 -5071.42,2165 -5035.71,2129.29 -5032.18,2125.75 -5022.93,2135 -5008.79,2120.86 -5022.3,2107.34 -5008.16,2093.2 -4975.61,2125.75 -4961.47,2111.61 -4989.75,2083.33 -4975.61,2069.18 -4947.32,2097.47 -4933.18,2083.33 -4961.47,2055.04 -4940.71,2034.29 -4876.42,1970 -4876.42,1630 -4806.42,1560 v2(-4636.42,1560)
SCLKD: R24.1 U2D.22 U4.5 | length 4051.6
  Top Layer w10: U4.5@-5997.6,2143.03 -5997.01,2142.44 -5997.01,2065.59 v2(-5996.42,2065) ; R24.1@-5051.42,745 v2(-5001.42,745) ; v2(-4641.42,720) -4639.61,721.81 -4614.61,721.81 -4544.85,791.57 U2D.22@-4516.31,791.57
  Signal 2 w10: v2(-5996.42,2065) -5992.74,2065 -5985.93,2058.19 -5404.61,2058.19 -5356.42,2010 -5352.89,2006.46 -5339.35,2020 -5325.21,2005.86 -5353.14,1977.93 -5339,1963.79 -5289.25,2013.54 -5275.11,1999.39 -5324.85,1949.64 -5310.71,1935.5 -5260.96,1985.25 -5246.82,1971.11 -5296.57,1921.36 -5282.43,1907.22 -5232.68,1956.97 -5218.54,1942.82 -5268.29,1893.08 -5254.14,1878.93 -5204.39,1928.68 -5190.25,1914.54 -5240,1864.79 -5225.86,1850.65 -5176.11,1900.4 -5161.97,1886.26 -5211.72,1836.51 -5197.58,1822.37 -5147.83,1872.11 -5133.68,1857.97 -5183.63,1808.03 -5169.49,1793.89 -5119.54,1843.83 -5105.4,1829.69 -5160.71,1774.37 -5160.71,1760.71 -5160.71,904.29 v2(-5001.42,745) -4976.42,720 -4971.42,720 -4971.42,795 -4951.42,795 -4951.42,680 -4931.42,680 -4931.42,746.37 -4911.42,746.37 -4911.42,720 -4835,720 v2(-4641.42,720)
SW: C41.1 L1.1 R33.2 U9.8
TD1A_N: R13A.6 R19A.2 U1A.22 | length 518.1
  Top Layer w7: R19A.2@-2151.82,3567.05 -2141.54,3577.33 -2141.54,3588.45 -2137.44,3592.55 -2127.54,3592.55 -2123.44,3588.45 -2123.44,3547.37 -2092.53,3516.46 -1973.68,3516.46 -1970.84,3513.62 U1A.22@-1943.94,3513.62 -1917.67,3513.62 -1891.95,3539.34 -1891.95,3567.49 -1895.44,3570.99 -1895.44,3571.6 -1895.79,3571.95 -1895.79,3667.94 -1883.61,3680.13 -1873.71,3680.13 -1871.79,3678.21 -1871.79,3677.44 -1865.45,3671.1 R13A.6@-1861.51,3671.1
TD1A_P: R13A.5 R22A.2 U1A.21 | length 517.1
  Top Layer w7: R22A.2@-2151.82,3632.05 -2141.54,3621.77 -2141.54,3610.65 -2137.44,3606.55 -2121.74,3606.55 -2109.44,3594.25 -2109.44,3553.17 -2086.73,3530.46 -1973.68,3530.46 -1970.84,3533.31 U1A.21@-1943.94,3533.31 -1917.66,3533.31 -1903.95,3547.03 -1903.95,3562.52 -1907.79,3566.37 -1907.79,3675.74 -1887.22,3696.31 -1873.9,3696.31 -1862.69,3707.52 R13A.5@-1861.51,3707.52